# Altium PCB 191228 PCB.PcbDoc
Units mm, origin at the board's own origin, x right, y up, seen from the top; angles counter-clockwise.
Board outline 156.83 x 115.25 mm, 2 copper layers (Top Layer, Bottom Layer); 250 components, 167 nets, 748 pads, 0 vias.
Unrouted connection lines stored in the file: 491.
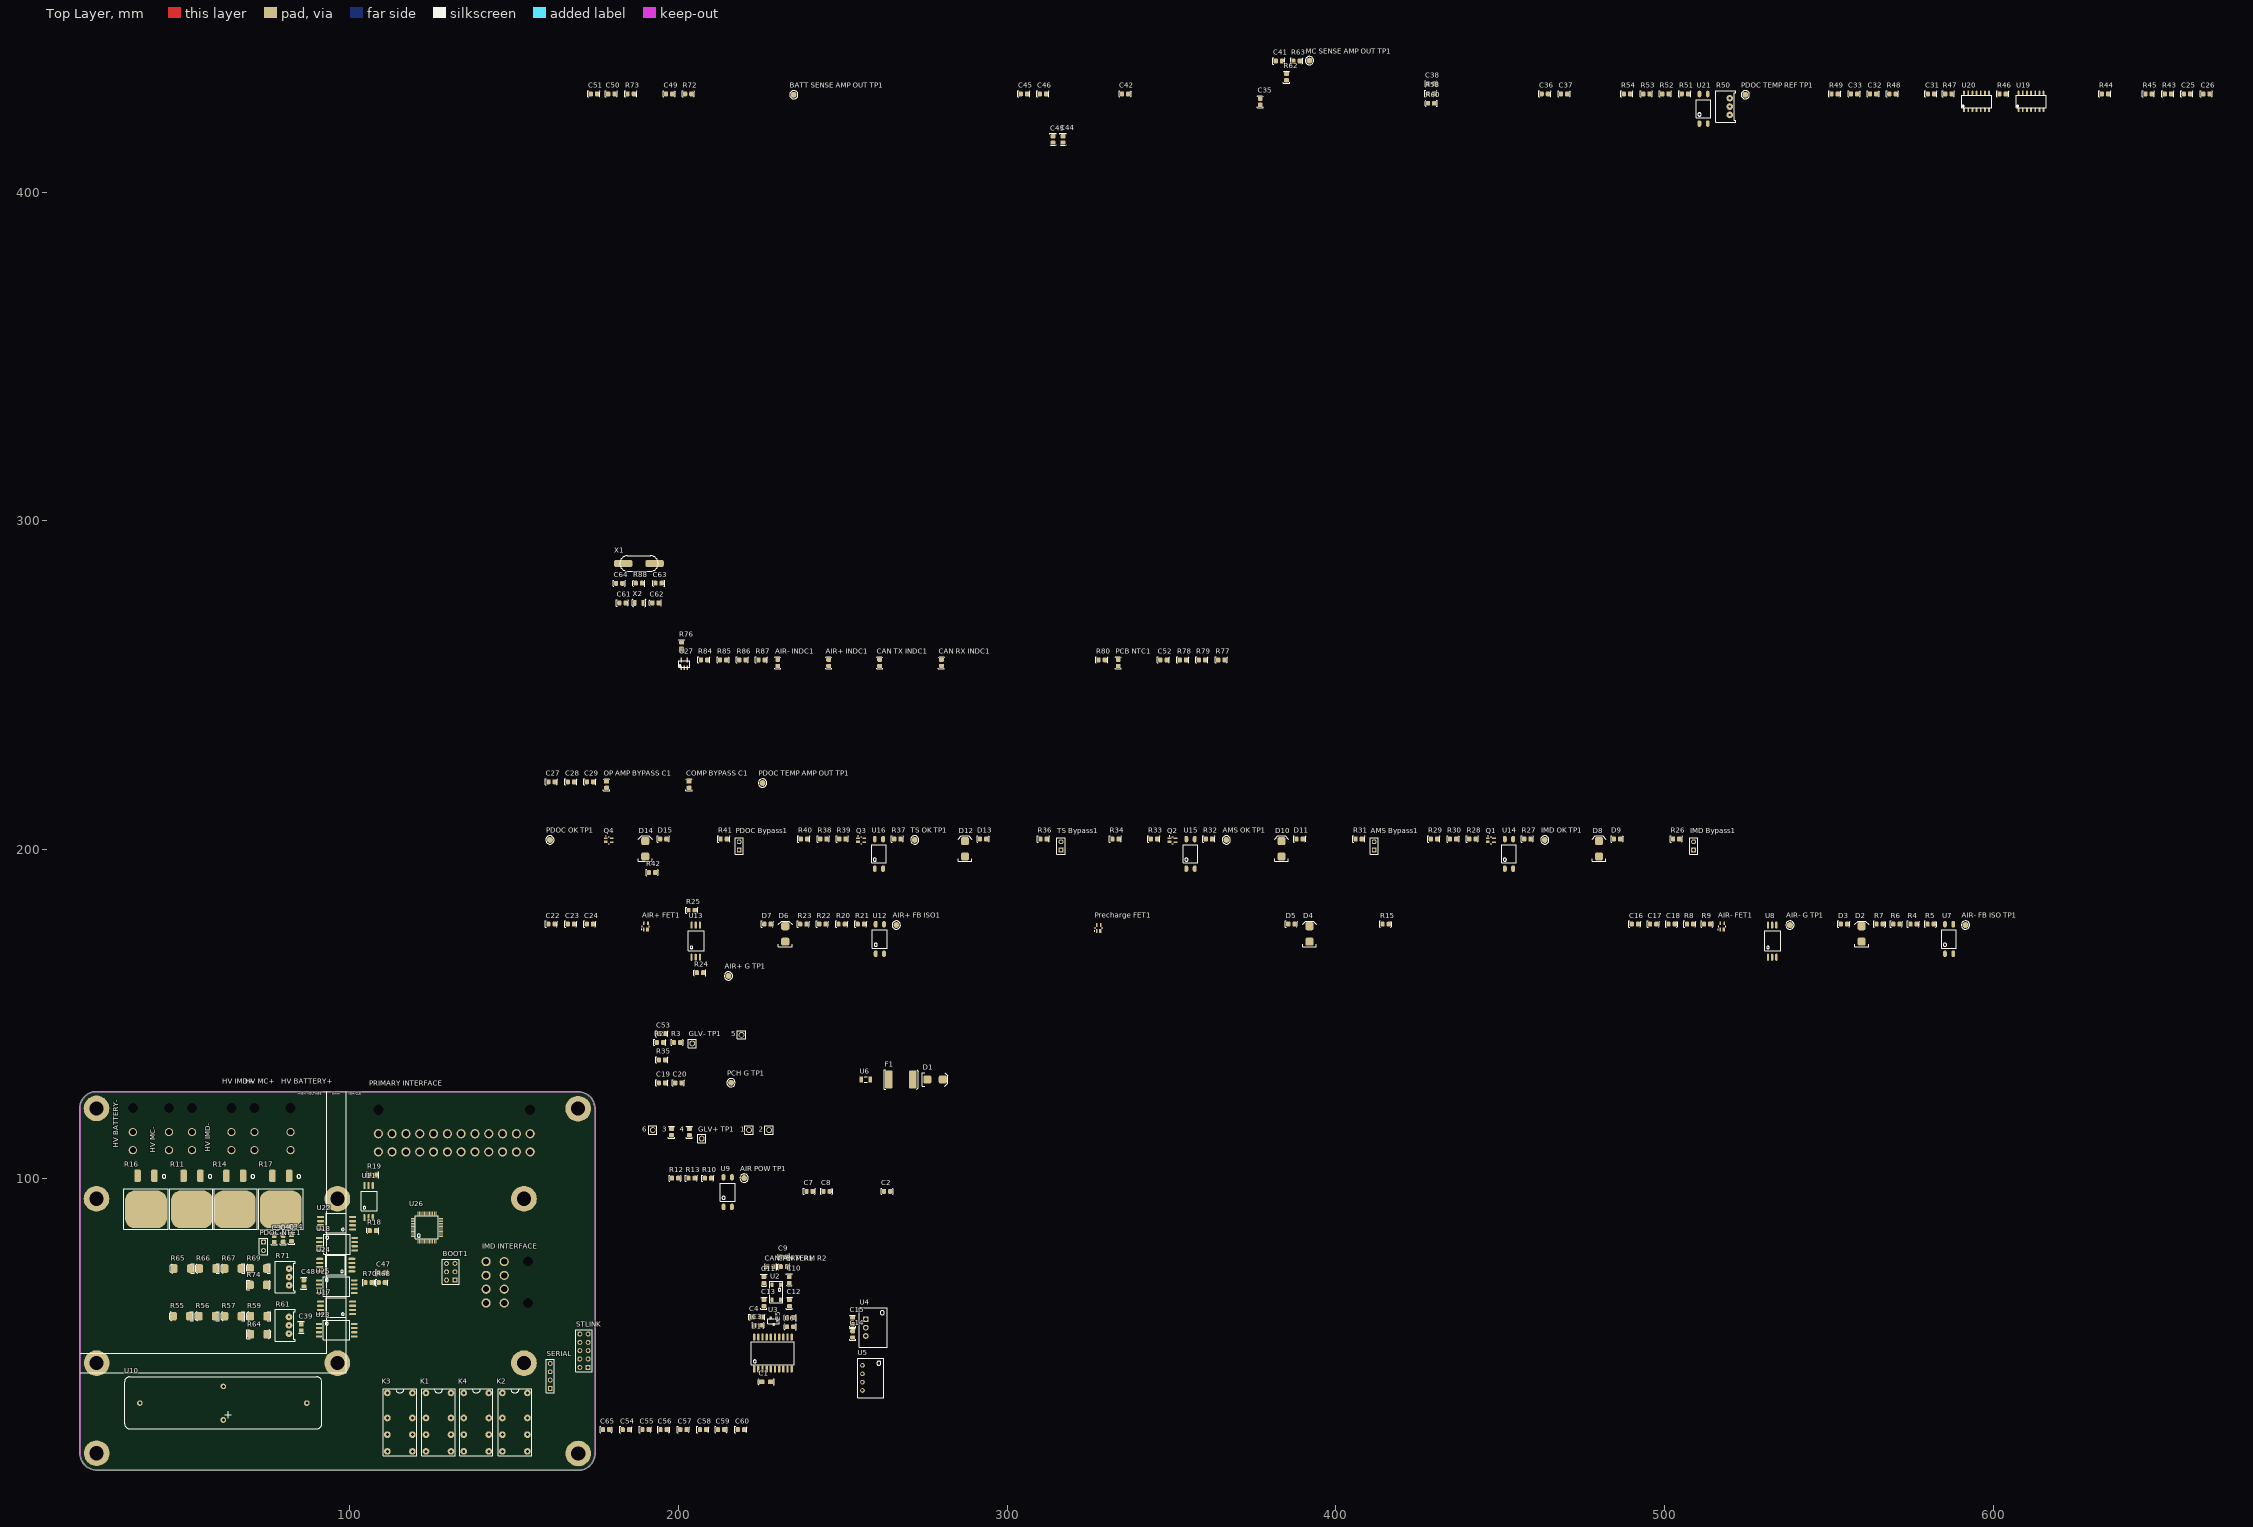
[diagram p0: Top Layer view]
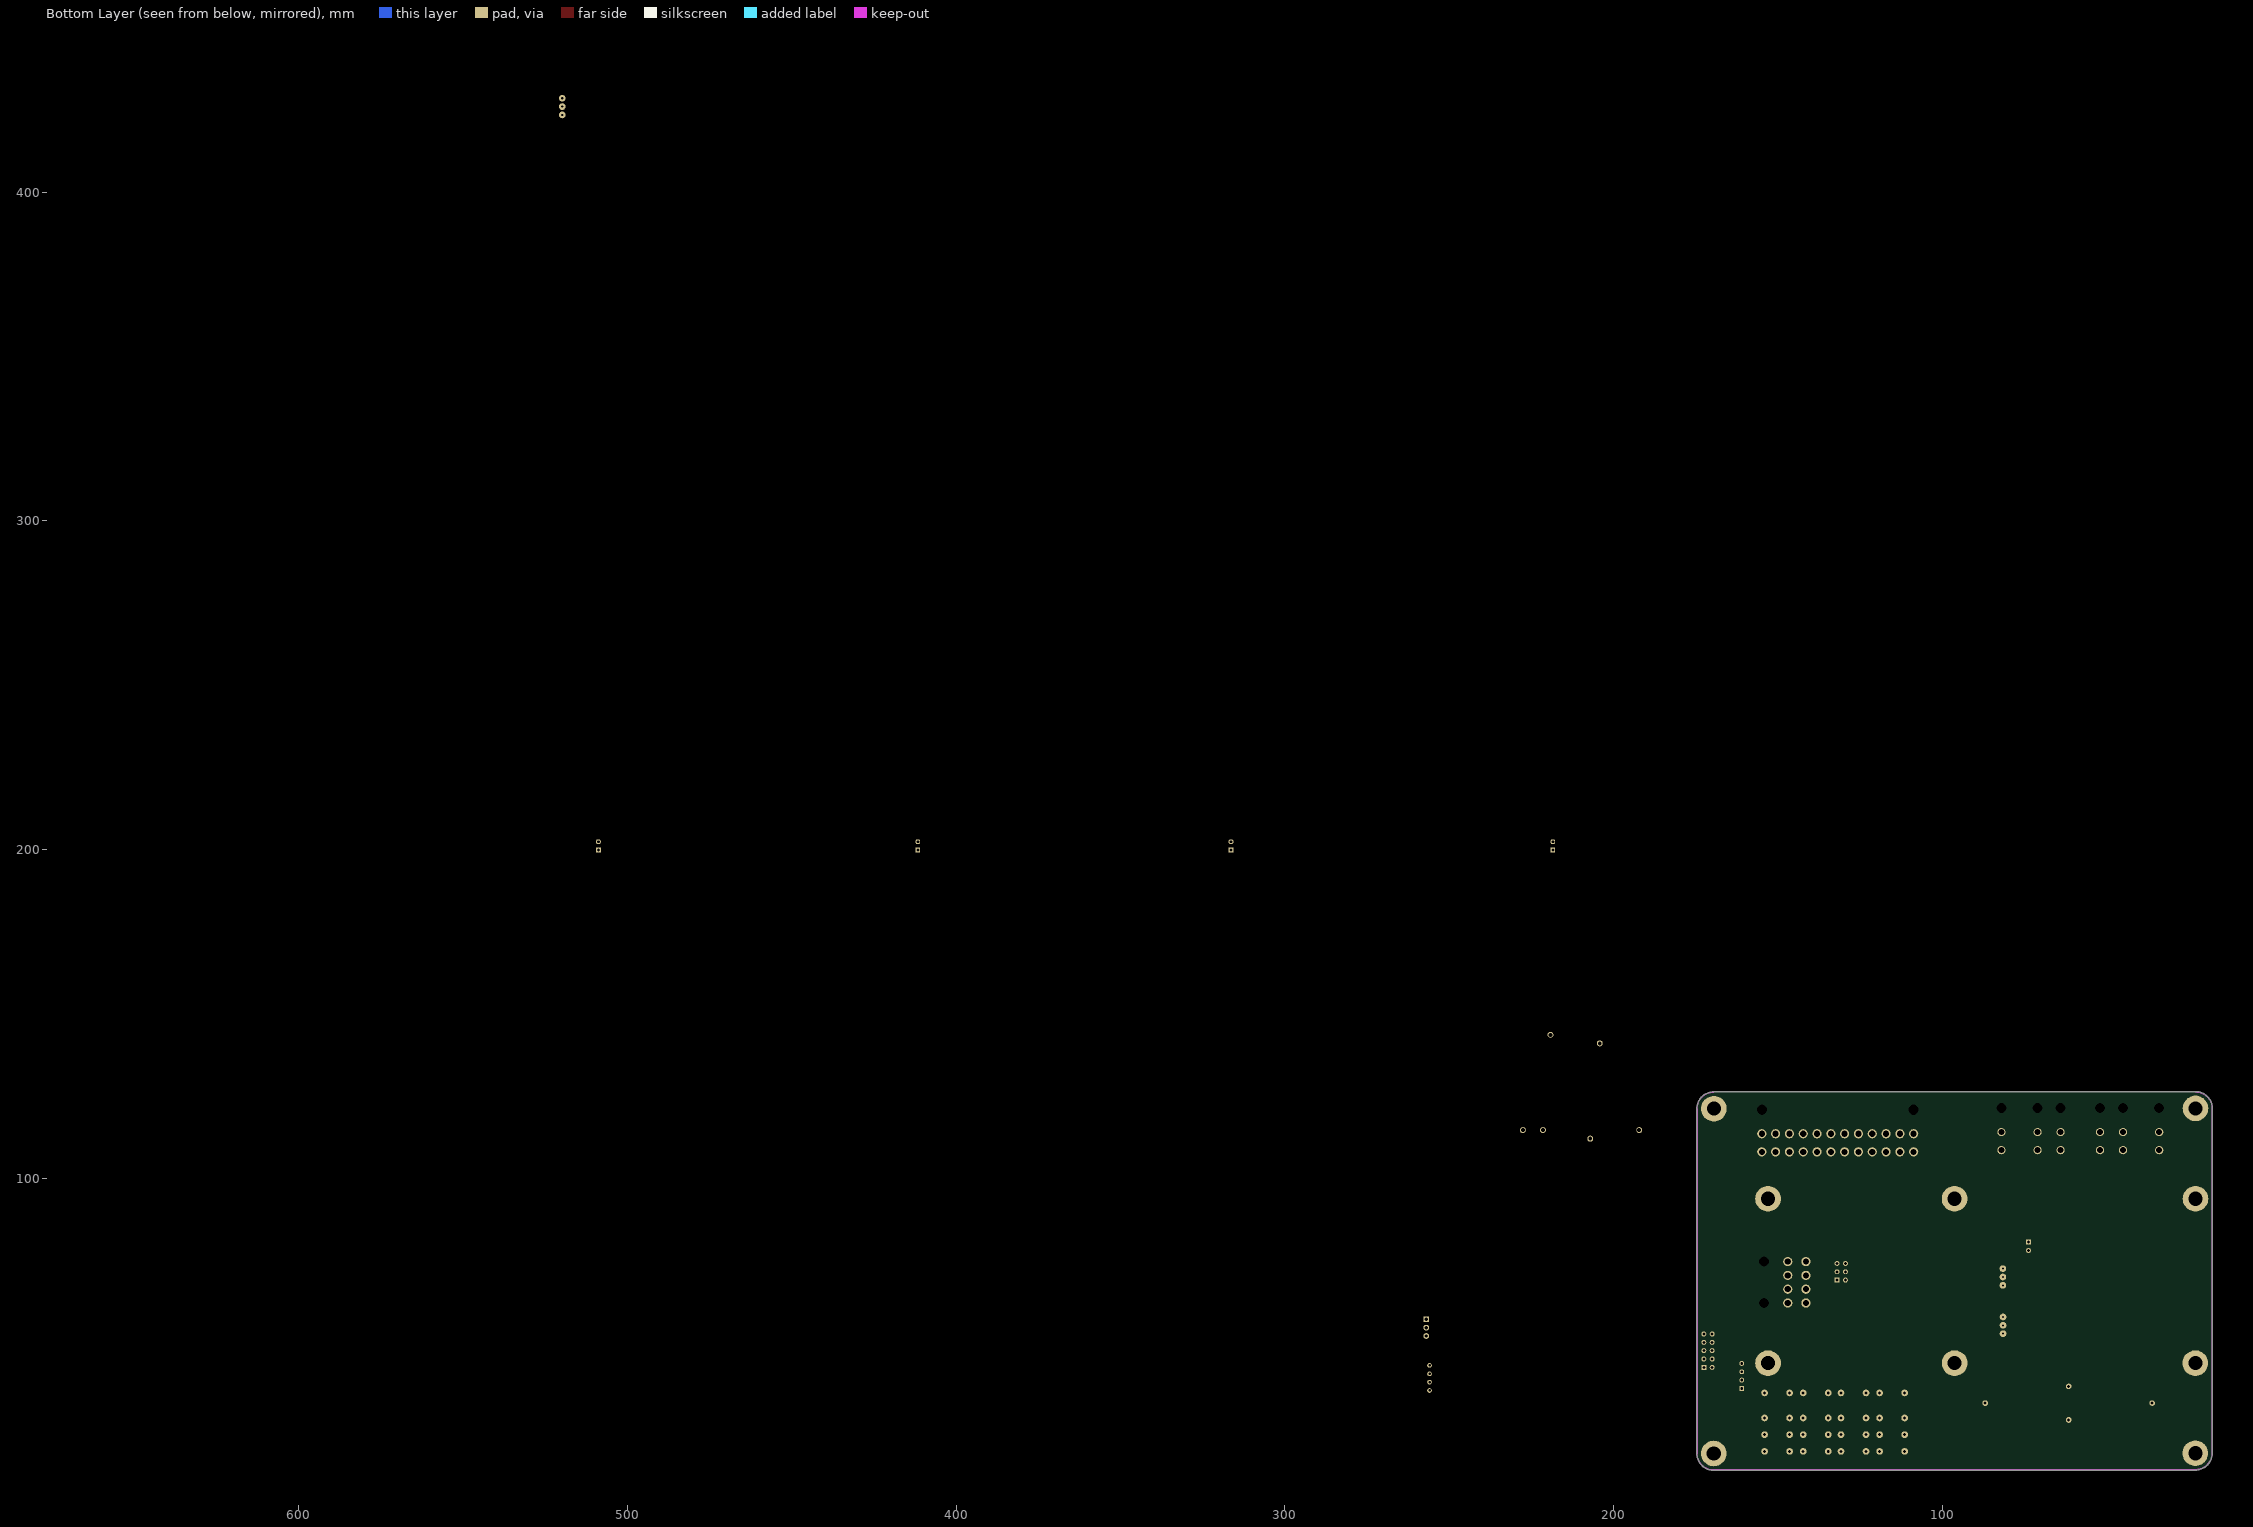
[diagram p1: Bottom Layer view, seen from below]

## Layer stack, top to bottom
Top Solder: solder mask 0.0102, Solder Resist, Dk 3.5
Top Layer: signal copper 0.0356
Dielectric 1: dielectric 0.32, FR-4, Dk 4.8
Bottom Layer: signal copper 0.0356
Bottom Solder: solder mask 0.0102, Solder Resist, Dk 3.5

## Board outline
17.872,16.29 cw(c17.999,16.29) 17.873,16.306 17.873,121.111 cw(c17.953,121.21) 17.826,121.21 cw(c22.953,121.21) 22.953,126.337 169.53,126.337 cw(c169.53,126.21) 169.649,126.256 cw(c169.53,121.13) 174.657,121.13 cw(c174.53,121.13) 174.657,121.128 174.657,16.21 cw(c174.53,16.21) 174.656,16.194 cw(c169.529,16.21) 169.529,11.083 cw(c169.529,11.21) 169.411,11.163 22.999,11.163 cw(c22.999,16.29)

## Design rules (kind name [scope] priority, off if disabled: settings)
Clearance [All] p1: gap=0.254 ignorepadtopadclearanceinfootprint=FALSE except(0: Arc-Hole Track-Hole SMDPad-Hole THPad-Hole Via-Hole Fill-Hole Poly-Hole Region-Hole Text-Hole; 0.152: Arc-SMDPad Track-SMDPad SMDPad-SMDPad)
Height [All] p1: minheight=0 maxheight=50 prefheight=12.7
PlaneConnect [All] p1: planeconnectstyle=Relief reliefexpansion=0.508 reliefentries=4 reliefconductorwidth=0.8 reliefairgap=0.254
PolygonConnect [All] p1: connectstyle=Relief reliefconductorwidth=0.8 reliefentries=4 polygonreliefangle="90 Angle" airgapwidth=0.254
RoutingVias [All] p1: holewidth=0.711 width=1.27 viastyle="Through Hole" minholewidth=0.203 minwidth=0.254 maxholewidth=0.711 maxwidth=1.27
SolderMaskExpansion [All] p1: expansion=0.102
Width [All] p1: maxlimit=3 minlimit=0.127 preferedwidth=0.5
28 further rules are at their usual default settings.

## Classes and differential pairs
component class U_STM32: "AIR+ INDC1" "AIR- INDC1" BOOT1 C21 C52 C53 C54 C55 C56 C57 C58 C59 C60 C61 C62 C63 C64 C65 "CAN RX INDC1" "CAN TX INDC1" D16 D17 FTDI1 "PCB NTC1" R75 R76 R77 R78 R79 R80 R81 R84 R85 R86 R87 R88 RESET1 SERIAL SERIAL1 STLINK STLINK1 U26 U27 X1 X2
component class U_Sensors: "BATT SENSE AMP OUT TP1" C21 C25 C26 C27 C28 C29 C30 C31 C32 C33 C34 C35 C36 C37 C38 C39 C40 C41 C42 C43 C44 C45 C46 C47 C48 C49 C50 C51 "COMP BYPASS C1" "MC SENSE AMP OUT TP1" "OP AMP BYPASS C1" "PDOC NTC1" "PDOC TEMP AMP OUT TP1" "PDOC TEMP REF TP1" R43 R44 R45 R46 R47 R48 R49 R50 R51 R52 R53 R54 R55 R56 R57 R58 R59 R60 R61 R62 R63 R64 R65 R66 R67 R68 R69 R70 R71 R72 R73 R74 R75 R81 R82 R83 U17 U18 U19 U20 U21 U22 U23 U24 U25
component class "U_Safety Loops": "AMS Bypass1" "AMS OK TP1" D8 D9 D10 D11 D12 D13 D14 D15 "IMD Bypass1" "IMD OK TP1" K1 K2 K3 K4 "PDOC Bypass1" "PDOC OK TP1" Q1 Q2 Q3 Q4 R26 R27 R28 R29 R30 R31 R32 R33 R34 R35 R36 R37 R38 R39 R40 R41 R42 R81 R83 "TS Bypass1" "TS OK TP1" U14 U15 U16
component class U_Precharge: "AIR POW TP1" "AIR+ FB ISO1" "AIR+ FET1" "AIR+ G TP1" "AIR- FB ISO TP1" "AIR- FET1" "AIR- G TP1" C16 C17 C18 C19 C20 C22 C23 C24 D2 D3 D4 D5 D6 D7 "PCH G TP1" "Precharge FET1" R1 R4 R5 R6 R7 R8 R9 R10 R11 R12 R13 R14 R15 R16 R17 R18 R19 R20 R21 R22 R23 R24 R25 U7 U8 U9 U10 U11 U12 U13
component class "U_Power Supply": 1 2 3 4 5 6 C14 C15 C21 D1 F1 "GLV+ TP1" "GLV- TP1" R2 R3 U4 U5 U6
component class U_CAN: C1 C2 C3 C4 C5 C6 C7 C8 C9 C10 C11 C12 C13 "CAN TERM R1" "CAN TERM R2" R1 U1 U2 U3
component class "Top Level": "HV BATTERY+" "HV BATTERY+1" "HV BATTERY-" "HV BATTERY-1" "HV IMD+" "HV IMD+1" "HV IMD-" "HV IMD-1" "HV MC+" "HV MC+1" "HV MC-" "HV MC-1" "IMD INTERFACE" "IMD INTERFACE1" "PRIMARY INTERFACE" "PRIMARY INTERFACE1"

## Components (designator, comment, footprint, x,y, rotation, side; value= is the part's Value field where it differs from the comment)
1 "0mm" "TH Test Point" 221.5,114.6 r90 top
2 "0mm" "TH Test Point" 227.6,114.6 r90 top
3 "Red" "0805 LED" 197.9,114 r90 top
4 "Red" "0805 LED" 203.3,114 r90 top
5 "0mm" "TH Test Point" 219.2,143.6 r90 top
6 "0mm" "TH Test Point" 192.2,114.6 r90 top
"AIR POW TP1" "0mm" "SMD Test Point" 220,100 r90 top
"AIR+ FB ISO1" "0mm" "SMD Test Point" 266.299,177 r90 top
"AIR+ FET1" "STD70N10F4" SOT-343_N 190.1,176.6 r90 top
"AIR+ G TP1" "0mm" "SMD Test Point" 215.2,161.5 r90 top
"AIR+ INDC1" "Yellow" "0805 LED" 245.7,256.799 r90 top
"AIR- FB ISO TP1" "0mm" "SMD Test Point" 591.599,177 r90 top
"AIR- FET1" "STD70N10F4" SOT-343_N 517.599,176.6 r90 top
"AIR- G TP1" "0mm" "SMD Test Point" 538.199,177 r90 top
"AIR- INDC1" "Yellow" "0805 LED" 230.2,256.799 r90 top
"AMS Bypass1" "2.54mm" "TH 2.54mm Header 1x2" 411.699,199.8 r90 top
"AMS OK TP1" "0mm" "SMD Test Point" 366.699,202.9 r90 top
"BATT SENSE AMP OUT TP1" "0mm" "SMD Test Point" 235.1,429.6 r90 top
BOOT1 "2.54mm" "TH 2.54mm Header 2x3" 132,68.96 r90 top
C1 "10nF" 1206 225.5,38 r180 top
C2 "100nF" 0805 263.499,96 r0 top
C3 "100nF" 0805 224.25,55.25 r0 top
C4 "10nF" 1206 225.1,57.75 r0 top
C5 "10uF" 0805 234,57.5 r180 top
C6 "100nF" 0805 234,54.75 r180 top
C7 "10uF" 0805 239.9,96 r0 top
C8 "100nF" 0805 245.1,96 r0 top
C9 "22pF" 0805 232,76 r180 top
C10 "100pF" 0805 233.75,69 r270 top
C11 "100pF" 0805 226.026,68.938 r270 top
C12 "100pF" 0805 233.75,62 r90 top
C13 "100pF" 0805 226,62 r90 top
C14 "10uF" 0805 253,52.5 r90 top
C15 "22uF" 0805 253,56.5 r90 top
C16 "100nF" 0805 490.999,177.3 r0 top
C17 "100nF" 0805 496.599,177.3 r0 top
C18 "10uF" 0805 502.199,177.3 r0 top
C19 "100nF" 0805 195,129 r0 top
C20 "100nF" 0805 200,129 r0 top
C22 "100nF" 0805 161.4,177.3 r0 top
C23 "100nF" 0805 167.3,177.3 r0 top
C24 "10uF" 0805 173.1,177.3 r0 top
C25 "10uF" 0805 658.999,429.9 r0 top
C26 "100nF" 0805 664.899,429.9 r0 top
C27 "10uF" 0805 161.4,220.6 r0 top
C28 "100nF" 0805 167.3,220.6 r0 top
C29 "100pF" 0805 173.1,220.6 r0 top
C30 "100nF" 0805 77,81.5 r90 top
C31 "100nF" 0805 581.099,429.9 r0 top
C32 "100pF" 0805 563.499,429.9 r0 top
C33 "100nF" 0805 557.699,429.9 r0 top
C34 "10uF" 0805 82.25,81.75 r90 top
C35 "100nF" 0805 377,427.5 r90 top
C36 "10uF" 0805 463.599,429.9 r0 top
C37 "100nF" 0805 469.499,429.9 r0 top
C38 "100pF" 0805 429,433 r0 top
C39 "100nF" 0805 85.276,54.538 r270 top
C40 "100nF" 0805 79.724,81.562 r90 top
C41 "100pF" 0805 382.699,439.9 r0 top
C42 "100nF" 0805 335.899,429.9 r0 top
C43 "10uF" 0805 314,416 r270 top
C44 "100nF" 0805 317.026,416.038 r270 top
C45 "10uF" 0805 305.099,429.9 r0 top
C46 "100nF" 0805 310.899,429.9 r0 top
C47 "100pF" 0805 109.75,71.25 r0 top
C48 "100nF" 0805 86,68 r90 top
C49 "100nF" 0805 197.2,429.9 r0 top
C50 "100pF" 0805 179.6,429.9 r0 top
C51 "100nF" 0805 174.3,429.9 r0 top
C52 "100nF" 0805 347.599,257.699 r0 top
C53 "100nF" 0805 195,144 r0 top
C54 "1uF" 0805 184,23.5 r0 top
C55 "100nF" 0805 190,23.5 r0 top
C56 "100nF" 0805 195.5,23.5 r0 top
C57 "100nF" 0805 201.5,23.5 r0 top
C58 "1uF" 0805 207.5,23.5 r0 top
C59 "100nF" 0805 213,23.5 r0 top
C60 "1uF" 0805 219,23.5 r0 top
C61 "22pF" 0805 183,275 r0 top
C62 "22pF" 0805 193,275 r180 top
C63 "22pF" 0805 193.938,280.974 r180 top
C64 "22pF" 0805 182,281 r0 top
C65 "22uF" 0805 178,23.5 r0 top
"CAN RX INDC1" "Blue" "0805 LED" 279.999,256.799 r90 top
"CAN TERM R1" "56R" 0805 228,73 r180 top
"CAN TERM R2" "56R" 0805 232.062,73.026 r180 top
"CAN TX INDC1" "Blue" "0805 LED" 261.199,256.799 r90 top
"COMP BYPASS C1" "100nF" 0805 203.2,219.7 r90 top
D1 "SD560BTR" "SMB Diode" 276,130 r0 top
D2 "SD560BTR" "SMB Diode" 559.999,172.2 r90 top
D3 "Orange" "0805 LED" 554.599,177.3 r0 top
D4 "SD560BTR" "SMB Diode" 391.999,172.2 r90 top
D5 "Orange" "0805 LED" 386.499,177.3 r0 top
D6 "SD560BTR" "SMB Diode" 232.5,172.2 r90 top
D7 "Orange" "0805 LED" 227.1,177.3 r0 top
D8 "SD560BTR" "SMB Diode" 480.099,198.1 r90 top
D9 "Green" "0805 LED" 485.599,203.2 r0 top
D10 "SD560BTR" "SMB Diode" 383.499,198.1 r90 top
D11 "Green" "0805 LED" 388.999,203.2 r0 top
D12 "SD560BTR" "SMB Diode" 287.199,198.1 r90 top
D13 "Green" "0805 LED" 292.699,203.2 r0 top
D14 "SD560BTR" "SMB Diode" 189.9,198.1 r90 top
D15 "Green" "0805 LED" 195.4,203.2 r0 top
F1 "0ZCF0200AF2C" 2920 264,130 r0 top
"GLV+ TP1" "0mm" "TH Test Point" 207.1,112 r90 top
"GLV- TP1" "0mm" "TH Test Point" 204.2,141 r90 top
"HV BATTERY+" "39300020" 39300020 82,114 r180 top
"HV BATTERY-" "39300020" 39300020 34,114 r180 top
"HV IMD+" "39300020" 39300020 64,114 r180 top
"HV IMD-" "39300020" 39300020 52,114 r180 top
"HV MC+" "39300020" 39300020 71,114 r180 top
"HV MC-" "39300020" 39300020 45,114 r180 top
"IMD Bypass1" "2.54mm" "TH 2.54mm Header 1x2" 508.899,199.8 r90 top
"IMD INTERFACE" "39300080" 39300080 147,74.6 r90 top
"IMD OK TP1" "0mm" "SMD Test Point" 463.599,202.9 r90 top
K1 "V23105A5475A201" "TI 2-DIL" 127,25.75 r270 top
K2 "V23105A5475A201" "TI 2-DIL" 150.25,25.75 r270 top
K3 "V23105A5475A201" "TI 2-DIL" 115.25,25.75 r270 top
K4 "V23105A5475A201" "TI 2-DIL" 138.5,25.75 r270 top
"MC SENSE AMP OUT TP1" "0mm" "SMD Test Point" 392,440 r90 top
"OP AMP BYPASS C1" "100nF" 0805 178.1,219.7 r90 top
"PCB NTC1" "10K (NTC) (B25/85 3430K)" 0805 333.799,256.799 r90 top
"PCH G TP1" "0mm" "SMD Test Point" 216,129 r90 top
"PDOC Bypass1" "2.54mm" "TH 2.54mm Header 1x2" 218.5,199.8 r90 top
"PDOC NTC1" "2.54mm" "TH 2.54mm Header 1x2" 73.75,80.5 r270 top
"PDOC OK TP1" "0mm" "SMD Test Point" 160.9,202.9 r90 top
"PDOC TEMP AMP OUT TP1" "0mm" "SMD Test Point" 225.6,220.2 r90 top
"PDOC TEMP REF TP1" "0mm" "SMD Test Point" 524.599,429.6 r90 top
"Precharge FET1" "STD70N10F4" SOT-343_N 327.899,176.1 r90 top
"PRIMARY INTERFACE" "39300240" 39300240 108.7,113.5 r180 top
Q1 "2N7002K" SOT-343_N 447.199,202.8 r0 top
Q2 "2N7002K" SOT-343_N 350.299,202.8 r0 top
Q3 "2N7002K" SOT-343_N 255.599,202.8 r0 top
Q4 "2N7002K" SOT-343_N 178.8,202.8 r0 top
R2 "1.5k" 0805 194.4,141.3 r0 top
R3 "1.5k" 0805 199.6,141.3 r0 top
R4 "680R" 0805 575.799,177.3 r0 top
R5 "1.5k" 0805 580.999,177.3 r0 top
R6 "1.5k" 0805 570.599,177.3 r0 top
R7 "20k" 0805 565.499,177.3 r0 top
R8 "20k" 0805 507.799,177.3 r0 top
R9 "20k" 0805 512.999,177.3 r0 top
R10 "680R" 0805 209,100 r0 top
R11 "1k" "B TO-263" 52,90.5 r180 top
R12 "20k" 0805 199,100 r0 top
R13 "1.5k" 0805 204,100 r0 top
R14 "1k" "B TO-263" 65,90.5 r180 top
R15 "1.5k" 0805 415.199,177.3 r0 top
R16 "1k" "B TO-263" 38,90.5 r180 top
R17 "1k" "B TO-263" 79,90.5 r180 top
R18 "20k" 0805 107,84 r180 top
R19 "20k" 0805 106.938,100.974 r180 top
R20 "680R" 0805 249.7,177.3 r0 top
R21 "1.5k" 0805 255.499,177.3 r0 top
R22 "1.5k" 0805 243.8,177.3 r0 top
R23 "20k" 0805 238,177.3 r0 top
R24 "20k" 0805 206.538,162.474 r180 top
R25 "20k" 0805 204.062,181.526 r0 top
R26 "1.5k" 0805 503.599,203.2 r0 top
R27 "680R" 0805 458.299,203.2 r0 top
R28 "680R" 0805 441.599,203.2 r0 top
R29 "20k" 0805 429.899,203.2 r0 top
R30 "1.5k" 0805 435.699,203.2 r0 top
R31 "1.5k" 0805 406.999,203.2 r0 top
R32 "680R" 0805 361.399,203.2 r0 top
R33 "680R" 0805 344.699,203.2 r0 top
R34 "20k" 0805 332.999,203.2 r0 top
R35 "680R" 0805 195,136 r0 top
R36 "1.5k" 0805 311.099,203.2 r0 top
R37 "680R" 0805 266.599,203.2 r0 top
R38 "680R" 0805 244.1,203.2 r0 top
R39 "680R" 0805 249.9,203.2 r0 top
R40 "20k" 0805 238.2,203.2 r0 top
R41 "1.5k" 0805 213.8,203.2 r0 top
R42 "680R" 0805 192,193 r0 top
R43 "10k" 0805 653.199,429.9 r0 top
R44 "2k" 0805 633.999,429.9 r0 top
R45 "10k" 0805 647.299,429.9 r0 top
R46 "3k" 0805 602.899,429.9 r0 top
R47 "10k" 0805 586.399,429.9 r0 top
R48 "10k" 0805 569.399,429.9 r0 top
R49 "10k" 0805 551.799,429.9 r0 top
R50 "10K (Var)" "B 3296" 519.299,426.1 r90 top
R51 "1.5k" 0805 506.199,429.9 r0 top
R52 "680R" 0805 500.299,429.9 r0 top
R53 "2.2k" 0805 494.499,429.9 r0 top
R54 "10k" 0805 488.599,429.9 r0 top
R55 "330K" "VB 0207" 51.25,58 r180 top
R56 "330K" "VB 0207" 59.083,58 r180 top
R57 "330K" "VB 0207" 66.917,58 r180 top
R58 "10k" 0805 428.962,430.026 r0 top
R59 "330K" "VB 0207" 74.75,58 r180 top
R60 "10k" 0805 429,427 r180 top
R61 "10K (Var)" "B 3296" 80.941,55.296 r90 top
R62 "10k" 0805 385,435 r90 top
R63 "10k" 0805 388.099,439.9 r0 top
R64 "10K" "VB 0207" 69.85,52.5 r0 top
R65 "330K" "VB 0207" 51.5,72.5 r180 top
R66 "330K" "VB 0207" 59.217,72.5 r180 top
R67 "330K" "VB 0207" 66.933,72.5 r180 top
R68 "10k" 0805 109.75,68.25 r0 top
R69 "330K" "VB 0207" 74.65,72.5 r180 top
R70 "10k" 0805 105.75,68.25 r0 top
R71 "10K (Var)" "B 3296" 81,70 r90 top
R72 "10k" 0805 203,429.9 r0 top
R73 "10k" 0805 185.5,429.9 r0 top